# Altium PCB RT_SUPER_B1.PCBdoc (part 1 of 2) (continued)
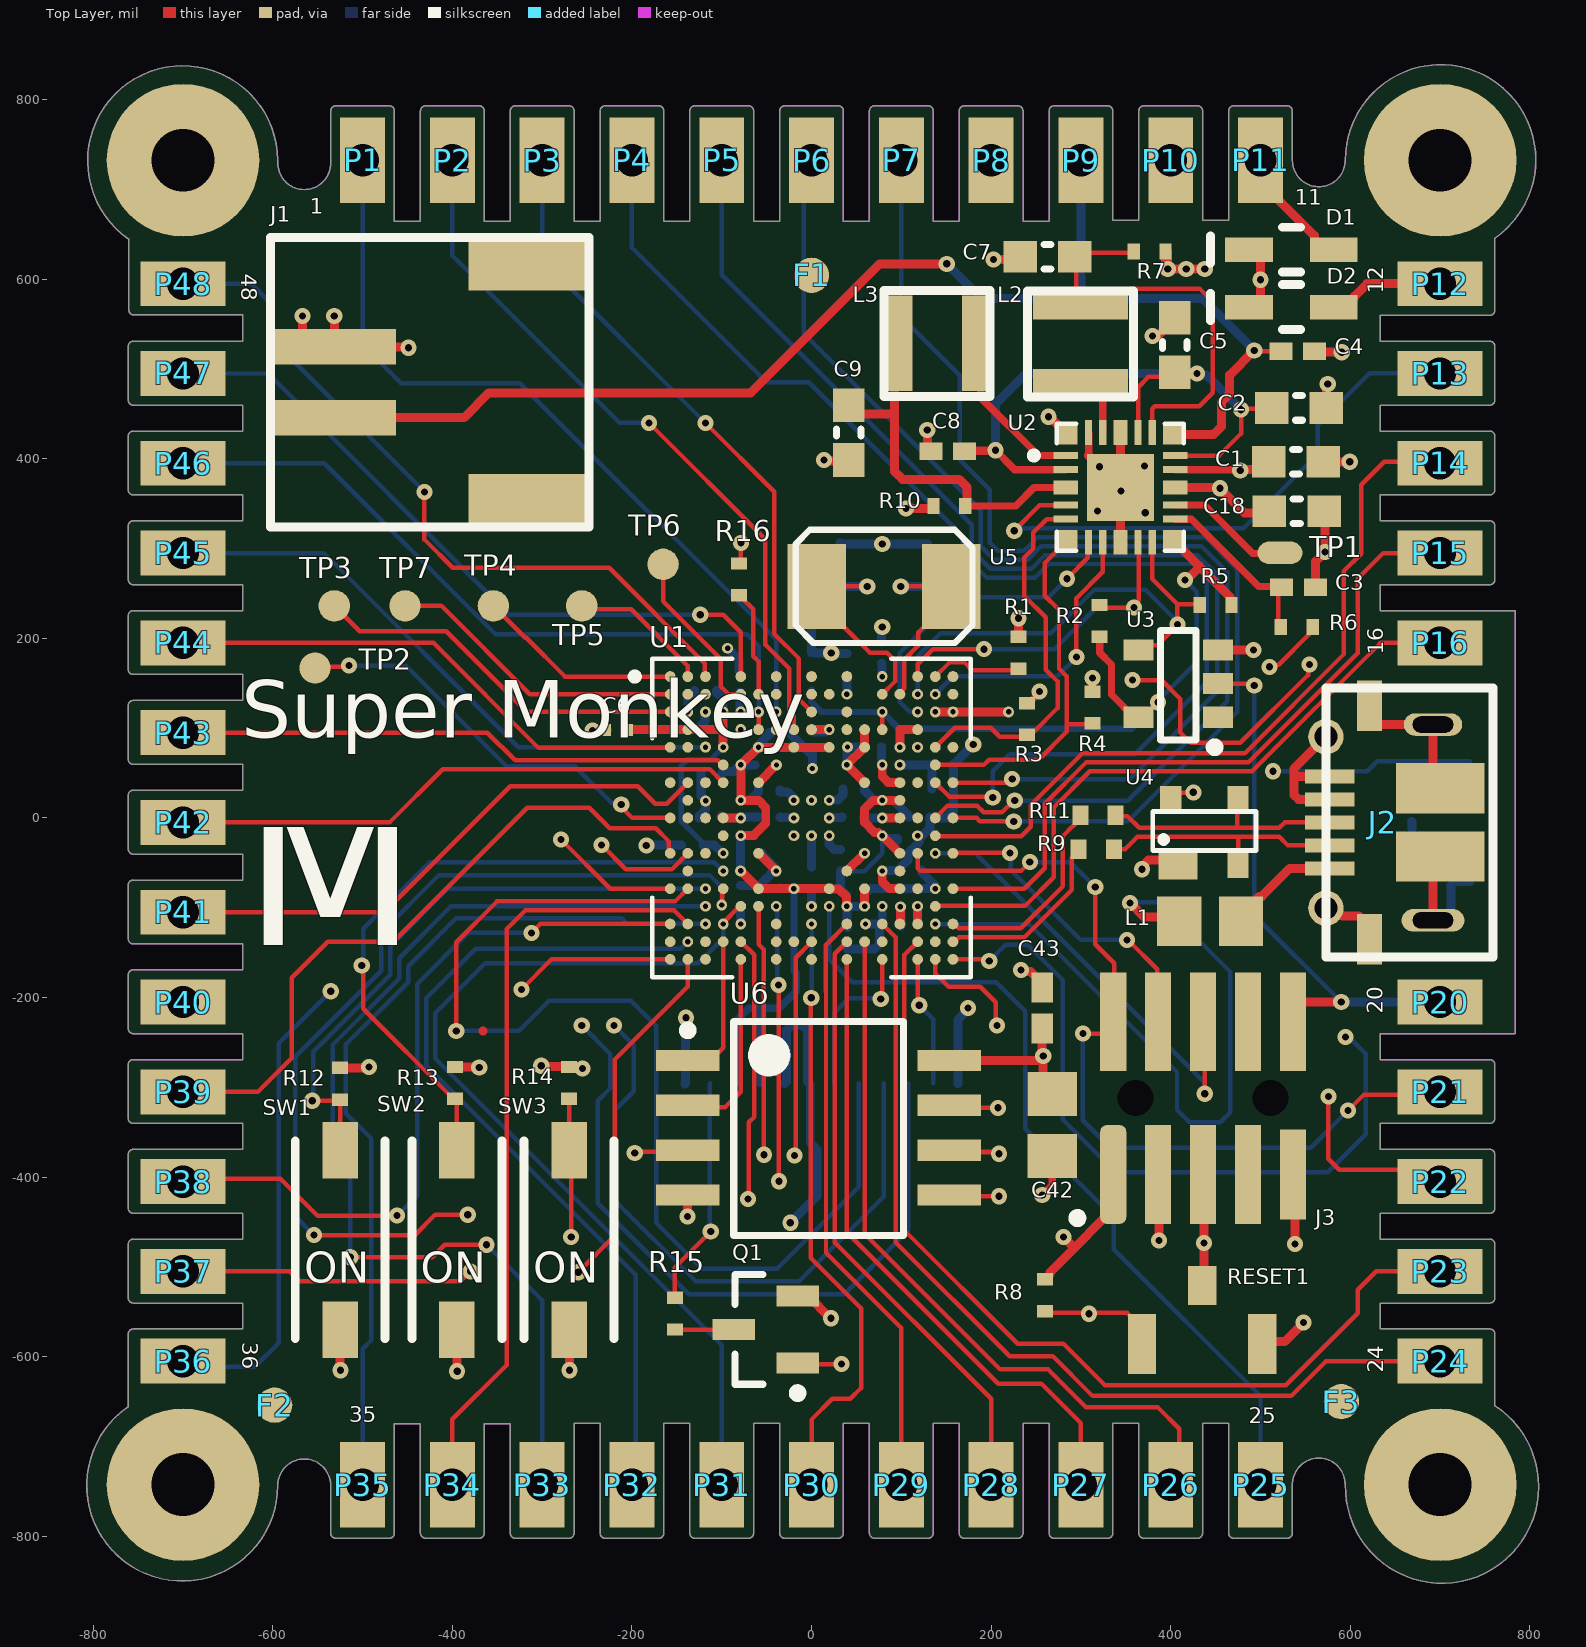
[diagram p0: Top Layer view]
## Board outline (continued)

## Design rules (kind name [scope] priority, off if disabled: settings)
Clearance [All] p1: gap=5 ignorepadtopadclearanceinfootprint=FALSE except(8: Arc-Poly Track-Poly SMDPad-Poly THPad-Poly Via-Poly Fill-Poly Poly-Poly)
ComponentClearance ComponentClearance_1 [HasFootprint('ER-TFT1.54-1')] p1: gap=0 collisioncheckmode=3 verticalgap=0 showdistances=FALSE
ComponentClearance [All] p2: gap=10 collisioncheckmode=3 verticalgap=10 showdistances=FALSE
PlaneClearance [All] p1: clearance=10
PolygonConnect PolygonConnect_2 [InNet('GND')] p1: thpad.connectstyle=Direct thpad.reliefconductorwidth=10 thpad.reliefentries=4 thpad.polygonreliefangle="90 Angle" thpad.airgapwidth=10 smdpad.connectstyle=Relief smdpad.reliefconductorwidth=10 smdpad.reliefentries=4 smdpad.polygonreliefangle="90 Angle" smdpad.airgapwidth=10 via.connectstyle=Direct via.reliefconductorwidth=10 via.reliefentries=4 via.polygonreliefangle="90 Angle" via.airgapwidth=10
PolygonConnect PolygonConnect_1 [IsVia] p2: connectstyle=Direct reliefconductorwidth=10 reliefentries=4 polygonreliefangle="90 Angle" airgapwidth=10
PolygonConnect [All] p3: connectstyle=Relief reliefconductorwidth=10 reliefentries=4 polygonreliefangle="90 Angle" airgapwidth=5
RoutingVias [All] p1: holewidth=12 width=26 viastyle="Through Hole" minholewidth=6 minwidth=6 maxholewidth=50 maxwidth=75
SilkToSolderMaskClearance SilkscreenOverComponentPads [IsPad] p1: minsilkscreentomaskgap=10 clearancetoexposedcopper=TRUE
SolderMaskExpansion [All] p1: expansion=4 istentingtop=FALSE
Width [All] p1: maxlimit=200 minlimit=5 preferedwidth=5
27 further rules are at their usual default settings.

## Components (designator, comment, footprint, x,y, rotation, side; value= is the part's Value field where it differs from the comment)
BTN1 "B3U-1100P" OMRON_B3U-1100P 733.27,-3.94 r90 bottom
C1 "2.2µF" C0603_0.90MM_MD 539.51,396.7 r180 top
C2 "4.7µF" C0603_1.00MM_MD 542.92,456.7 r0 top
C3 "0.47µF" C0402_0.55MM_HD 542.32,256.89 r180 top
C4 "1µF" C0402_0.55MM_HD 541.51,519.7 r180 top
C5 "2.2µF" C0603_0.90MM_MD 404.51,526.7 r90 top
C6 "0.1uF 6v" C0201_PERFECT -216,98 r0 top
C7 "10µF" C0603_0.90MM_MD 262.8,625 r0 top
C8 "1µF" C0402_0.55MM_HD 151.57,408.46 r180 top
C9 "10µF" C0603_0.90MM_MD 41.34,429.13 r90 top
C10 "1µF" C0402_0.55MM_HD 0,165.35 r270 bottom
C11 "18pF" C0402_0.55MM_HD 128.94,282.48 r270 bottom
C12 "0.1uF 6v" C0201_PERFECT 40,-134 r90 bottom
C13 "0.1uF 6v" C0201_PERFECT -51,59 r180 bottom
C14 "0.1uF 6v" C0201_PERFECT 110.24,-58.07 r0 bottom
C15 "0.1uF 6v" C0201_PERFECT 32.48,-47.24 r270 bottom
C16 "0.1uF 6v" C0201_PERFECT -111,50 r0 bottom
C17 "0.1uF 6v" C0201_PERFECT -35,95 r180 bottom
C18 "2.2µF" C0603_0.90MM_MD 540.35,341.54 r180 top
C19 "18pF" C0402_0.55MM_HD 31.5,283.46 r270 bottom
C20 "0.1uF 6v" C0201_PERFECT -67,-39 r180 bottom
C21 "0.1uF 6v" C0201_PERFECT -47,31 r180 bottom
C22 "0.1uF 6v" C0201_PERFECT 47,32 r0 bottom
C23 "0.1uF 6v" C0201_PERFECT 107.88,-25 r180 bottom
C24 "0.1uF 6v" C0201_PERFECT -47,-78 r0 bottom
C25 "0.1uF 6v" C0201_PERFECT 119.88,1 r180 bottom
C26 "0.1uF 6v" C0201_PERFECT 146,60 r180 bottom
C27 "0.1uF 6v" C0201_PERFECT 0,-66.74 r270 bottom
C28 "0.1uF 6v" C0201_PERFECT 46,1 r0 bottom
C29 "0.1uF 6v" C0201_PERFECT -47,1 r180 bottom
C30 "0.1uF 6v" C0201_PERFECT -113.19,0 r0 bottom
C31 "0.1uF 6v" C0201_PERFECT 87.6,-120.08 r0 bottom
C32 "0.1uF 6v" C0201_PERFECT -79,-87 r270 bottom
C33 "0.1uF 6v" C0201_PERFECT -80,152 r270 bottom
C34 "0.1uF 6v" C0201_PERFECT 1,84 r90 bottom
C35 "0.1uF 6v" C0201_PERFECT 146,32 r180 bottom
C36 "0.1uF 6v" C0201_PERFECT 39.57,171.18 r270 bottom
C37 "0.1uF 6v" C0201_PERFECT 78,184.06 r270 bottom
C38 "0.1uF 6v" C0201_PERFECT -118.11,141.73 r0 bottom
C39 "0.1uF 6v" C0201_PERFECT -112.59,100 r0 bottom
C40 "0.1uF 6v" C0201_PERFECT -133,-30 r0 bottom
C41 "0.1uF 6v" C0201_PERFECT 66,79 r0 bottom
C42 "4.7µF" C0805_1.45MM_MD 268,-342 r90 top
C43 "0.1µF" C0402_0.55MM_MD 256.89,-211.61 r90 top
D1 "BAT760-7" D_SOD-323_P 534.45,632.87 r180 top
D2 "BAT760-7" D_SOD-323_P 534.45,568.9 r180 top
F1 "PCB Fiducial" "Fiducial 1mm - 2mm" 0,604.33 r0 top
F2 "PCB Fiducial" "Fiducial 1mm - 2mm" -598,-654 r0 top
F3 "PCB Fiducial" "Fiducial 1mm - 2mm" 590,-650 r0 top
F4 "PCB Fiducial" "Fiducial 1mm - 2mm" -40,-600 r180 bottom
F5 "PCB Fiducial" "Fiducial 1mm - 2mm" -490,100 r180 bottom
F6 "PCB Fiducial" "Fiducial 1mm - 2mm" 550,-10 r180 bottom
J1 "S2B-PH-SM4-TB(LF)(SN)" S2B-PH-SM4-TB(LF)(SN) -423.23,485.24 r270 top
J2 "10103594-0001LF" 10103594-0001LF 636.42,-5 r180 top
J3 "FTSH-105-01-F-DV" FTSH-105-01-F-DV-K-A 436,-312 r0 top
L1 "CBC2012T4R7M" C0805_1.45MM_MD 444,-115 r180 top
L2 "2.2µH 1.5A" L_NRH3012 299.51,527.7 r90 top
L3 "2.2µH 1.5A" L_NRH3012 139.76,528.54 r180 top
P1 "" CASTELLATED#1 -500,732.5 r0 top
P2 "" CASTELLATED#1 -400,732.5 r180 top
P3 "" CASTELLATED#1 -300,732.5 r180 top
P4 "" CASTELLATED#1 -200,732.5 r180 top
P5 "" CASTELLATED#1 -100,732.5 r180 top
P6 "" CASTELLATED#1 0,732.5 r180 top
P7 "" CASTELLATED#1 100,732.5 r180 top
P8 "" CASTELLATED#1 200,732.5 r180 top
P9 "" CASTELLATED#1 300,732.5 r180 top
P10 "" CASTELLATED#1 400,732.5 r180 top
P11 "" CASTELLATED#1 500,732.5 r180 top
P12 "" CASTELLATED#2 700,600 r90 top
P13 "" CASTELLATED#3 788,560.5 r90 top
P14 "" CASTELLATED#1 700,395 r90 top
P15 "" CASTELLATED#4 698,296.5 r90 top
P16 "" CASTELLATED#5 700,198.86 r90 top
P20 "" CASTELLATED#6 700,-208.5 r90 top
P21 "" CASTELLATED#4 698,-303.5 r90 top
P22 "" CASTELLATED#7 699,-403.5 r90 top
P23 "" CASTELLATED#8 702,-503.5 r90 top
P24 "" CASTELLATED#1 700,-605 r90 top
P25 "" CASTELLATED#1 500,-742.5 r180 top
P26 "" CASTELLATED#1 400,-742.5 r0 top
P27 "" CASTELLATED#1 300,-742.5 r0 top
P28 "" CASTELLATED#1 200,-742.5 r0 top
P29 "" CASTELLATED#1 100,-742.5 r0 top
P30 "" CASTELLATED#1 0,-742.5 r0 top
P31 "" CASTELLATED#1 -100,-742.5 r0 top
P32 "" CASTELLATED#1 -200,-742.5 r0 top
P33 "" CASTELLATED#1 -300,-742.5 r0 top
P34 "" CASTELLATED#1 -400,-742.5 r0 top
P35 "" CASTELLATED#1 -500,-742.5 r0 top
P36 "" CASTELLATED#1 -700,-605 r90 top
P37 "" CASTELLATED#1 -700,-505 r90 top
P38 "" CASTELLATED#1 -700,-405 r90 top
P39 "" CASTELLATED#1 -700,-305 r90 top
P40 "" CASTELLATED#1 -700,-205 r90 top
P41 "" CASTELLATED#1 -700,-105 r90 top
P42 "" CASTELLATED#1 -700,-5 r90 top
P43 "" CASTELLATED#1 -700,95 r90 top
P44 "" CASTELLATED#1 -700,195 r90 top
P45 "" CASTELLATED#1 -700,295 r90 top
P46 "" CASTELLATED#1 -700,395 r90 top
P47 "" CASTELLATED#9 -704,534.5 r90 top
P48 "" CASTELLATED#10 -700,588.5 r90 top
Q1 "ZXMN3A01FTA" SOT-23 -51,-569.64 r180 top
R1 "10k" R0402_0.40MM_HD 230.32,184.06 r270 top
R2 "20k" R0402_0.40MM_HD 320.87,219.49 r270 top
R3 "2.2k" R0402_0.40MM_HD 240.16,110.24 r90 top
R4 "2.2k" R0402_0.40MM_HD 312.99,123.03 r90 top
R5 "20k" R0402_0.40MM_HD 450,237 r0 top
R6 "0" R0402_0.40MM_HD 540.35,212.6 r0 top
R7 "0" R0402_0.40MM_HD 376.51,630.7 r0 top
R8 "100k" R0402_0.40MM_HD 259.84,-531.5 r90 top
R9 "0" R0402_0.40MM_MD 317,-35 r180 top
R10 "0" R0402_0.40MM_HD 153.54,347.44 r180 top
R11 "0" R0402_0.40MM_MD 319,3 r180 top
R12 "100k" R0402_0.40MM_HD -525,-296 r90 top
R13 "100k" R0402_0.40MM_HD -397,-295 r90 top
R14 "100k" R0402_0.40MM_HD -270,-295 r90 top
R15 "33" R0402_0.40MM_HD -152,-552 r90 top
R16 "1k" R0402_0.40MM_HD -80.71,265.75 r90 top
RESET1 "B3U-1100P" OMRON_B3U-1100P 435.04,-585.63 r180 top
SW1 "CHS-01TA" CHS-01TA -525,-390 r0 top
SW2 "CHS-01TA" CHS-01TA -395,-390 r0 top
SW3 "CHS-01TA" CHS-01TA -270,-390 r0 top
TP1 "SMT_TEST" "SMT_TP - 25 x 50" 521.65,295.28 r90 top
TP2 "SMT_TEST" "SMT_TP - 35" -553,167 r90 top
TP3 "SMT_TEST" "SMT_TP - 35" -531.5,236.22 r0 top
TP4 "SMT_TEST" "SMT_TP - 35" -354.33,236.22 r0 top
TP5 "SMT_TEST" "SMT_TP - 35" -255.91,236.22 r0 top
TP6 "SMT_TEST" "SMT_TP - 35" -165.35,282.48 r0 top
TP7 "SMT_TEST" "SMT_TP - 35" -452.76,236.22 r0 top
U1 "MIMXRT685SFVKB" VFBGA176 0,0 r0 top locked
U2 "PCA9420BSAZ" PCA9420 344.01,368.2 r0 top
U3 "SN74AUC1G07DBVR" SOT23-5 408.46,149.61 r180 top
U4 "PRTR5V0U2X,215" SOT143B 408,-53 r0 top
U5 "24MHz" ABM3 80.71,257.87 r0 top
U6 "W25Q64JVSIM" SOIC127P830X200-8L 7.87,-345 r0 top
U7 "ER-TFT1.54-1" ER-TFT1.54-1 11.43,-295.5 r180 bottom locked

## Footprints (in the part's own frame and the unit in brackets; to place one, negate y for a bottom-side part, rotate by r counter-clockwise, add the part's x,y. Pads: shape width x height; smd on the part's side, far side on the other; paste and mask are expansions set on the pad)
10103594-0001LF [mm] "USB uB"
  rect 1.4x0.4 smd: 1(1.506,1.3) 2(1.506,0.65) 3(1.506,0) 4(1.506,-0.65) 5(1.506,-1.3)
  rect 2.5x1.425 smd: MOUNT(-1.615,0.962) MOUNT(-1.615,-0.962)
  oval 1.778x0.635 hole 0.457 slot 1.143 at 0 deg: MOUNT(-1.415,2.77)
  oval 1.651x0.635 hole 0.457 slot 1.143 at 0 deg: MOUNT(-1.415,-2.77)
  rect 0.7x1.425 smd: MOUNT(0.385,3.3) MOUNT(0.385,-3.3)
  round 1 hole 0.65: MOUNT(1.615,2.425) MOUNT(1.615,-2.425)
  silkscreen extent -3.11,-3.8 1.62,3.8, body extent -4.23,-4.01 1.81,4.03, height 2.9
ABM3 [mm] "Abracon Crystal 5x3.2mm"
  rect 1.651x2.4 smd: 1(-1.9,0) 2(1.9,0)
  silkscreen extent -2.5,-1.6 2.5,1.6, body extent -2.5,-1.6 2.5,1.6, height 1.3
C0201_PERFECT [mm] "Chip Capacitor, 2-Leads, Body 0.60x0.35mm, IPC High https://www.worthingtonassembly.com/blog/2018/1/29/the-perfect-0201-footprint"
  rect 0.25x0.35 smd mask+0.05: 1(-0.305,0) 2(0.305,0)
  body extent -0.3,-0.2 0.3,0.2, height 0.3
C0402_0.55MM_HD [mm] "Capacitor 0402 0.55mm Height- High Density"
  rect 0.65x0.5 smd: 1(-0.475,0) 2(0.475,0)
  body extent -0.53,-0.25 0.48,0.25, height 0.55
C0402_0.55MM_MD [mm] "Capacitor - 0402 - Medium Density"
  rect 0.85x0.6 smd: 1(-0.575,0) 2(0.575,0)
  body extent -0.5,-0.25 0.5,0.25, height 0.55
C0603_0.90MM_MD [mm] "Capacitor 0603 - Medium Density"
  rect 0.95x0.9 smd: 1(-0.775,0) 2(0.775,0)
  silkscreen extent -0.1,-0.35 0.1,0.35, body extent -0.8,-0.4 0.8,0.4, height 0.9
C0603_1.00MM_MD [mm] "Capacitor 0603 - Medium Density"
  rect 0.95x0.9 smd: 1(-0.775,0) 2(0.775,0)
  silkscreen extent -0.1,-0.35 0.1,0.35, body extent -0.8,-0.4 0.8,0.4, height 1
C0805_1.45MM_MD [mm] "Capacitor - 0805 - Medium Density"
  rect 1.25x1.4 smd: 1(-0.875,0) 2(0.875,0)
  body extent -1,-0.62 1,0.63, height 1.45
CASTELLATED#1 [mil]
  rect 50x95 hole 36: 1(0,0)
CASTELLATED#2 [mil]
  rect 50x95 hole 36: 1(-5,0)
CASTELLATED#3 [mil]
  rect 50x95 hole 36: 1(-65.5,88)
CASTELLATED#4 [mil]
  rect 50x95 hole 36: 1(-1.5,-2)
CASTELLATED#5 [mil]
  rect 50x95 hole 36: 1(-3.86,0)
CASTELLATED#6 [mil]
  rect 50x95 hole 36: 1(3.5,0)
CASTELLATED#7 [mil]
  rect 50x95 hole 36: 1(-1.5,-1)
CASTELLATED#8 [mil]
  rect 50x95 hole 36: 1(-1.5,2)
CASTELLATED#9 [mil]
  rect 50x95 hole 36: 1(-39.5,-4)
CASTELLATED#10 [mil]
  rect 50x95 hole 36: 1(6.5,0)
CHS-01TA [mm]
  rect 1x1.6 smd: 1(0,-4.572) 2(0,0.508)
  silkscreen extent -1.27,-4.83 1.27,0.76, body extent -1.25,-4.83 1.25,0.77, height 2.53
D_SOD-323_P [mm] "SOD-123 Diode - Polarized"
  rect 1.35x0.7 smd: 1(-1.2,0) 2(1.2,0)
  silkscreen extent -0.25,-0.64 2.29,0.64, body extent -1.3,-0.68 1.3,0.67, height 1.1
ER-TFT1.54-1 [mm]
  rect 0.35x3 smd: 1(3.85,0) 2(3.15,0) 3(2.45,0) 4(1.75,0) 5(1.05,0) 6(0.35,0) 7(-0.35,0) 8(-1.05,0) 9(-1.75,0) 10(-2.45,0) 11(-3.15,0) 12(-3.85,0)
  silkscreen extent -15.41,-9.5 16.11,24.22, body extent -15.54,-9.63 16.24,24.35, height 2.1
"Fiducial 1mm - 2mm" [mm] "1mm Pad 2mm Opening"
  round 1 smd paste-10 mask+0.5: 1(0,0)
FTSH-105-01-F-DV-K-A [mil] "Samtec FTSH-105-01-F-DV-K-A SMT Connector"
  rrect50% 29x110 smd: 1(-100,-85)
  rect 29x110 smd: 2(-100,85) 3(-50,-85) 4(-50,85) 5(0,-85) 6(0,85) 7(50,-85) 8(50,85) 10(100,85)
  rect 29x100 smd: 9(100,-85)
  round 5 hole 40 unplated mask+20: A(-75,0) A(75,0)
  silkscreen extent -145,-139 -135,-129, body extent -125,-115 125,115, height 241
L_NRH3012 [mm] "Inductor"
  rect 0.8x2.7 smd: 1(-1.1,0) 2(1.1,0)
  silkscreen extent -1.5,-1.5 1.5,1.5, body extent -1.5,-1.5 1.5,1.5, height 1.2
OMRON_B3U-1100P [mm] "Omron Ultra-small tactile switch B3U 3.0 x 2.5 x 1.2mm"
  rect 0.8x1.7 smd: 1(-1.7,0) 2(1.7,0)
  rect 0.8x1.1 smd: S(0,-1.65)
  body extent -2,-1.9 2,1.25, height 1.61
PCA9420 [mm]
  rect 0.7x0.2 smd mask+0.051: 1(-1.55,0.9) 2(-1.55,0.5) 4(-1.55,-0.5) 5(-1.55,-0.9) 13(1.55,-0.9) 14(1.55,-0.5) 16(1.55,0.5) 17(1.55,0.9)
  rect 0.7x0.4 smd mask+0.051: 3(-1.55,0) 15(1.55,0)
  rect 0.584x0.584 smd mask+0.051: 6(-1.5,-1.5) 12(1.5,-1.5) 18(1.5,1.5) 24(-1.5,1.5)
  rect 0.2x0.7 smd mask+0.051: 7(-0.9,-1.55) 8(-0.5,-1.55) 10(0.5,-1.55) 11(0.9,-1.55) 19(0.9,1.55) 20(0.5,1.55) 22(-0.5,1.55) 23(-0.9,1.55)
  rect 0.4x0.7 smd mask+0.051: 9(0,-1.55) 21(0,1.55)
  rect 1.9x1.9 smd mask+0.051: 25(0,0)
  silkscreen extent -2.55,-1.8 1.8,1.8, body extent -1.5,-1.5 1.5,1.5, height 1
R0402_0.40MM_HD [mm] "Resistor 0402 High Density"
  rect 0.35x0.45 smd: 1(-0.45,0) 2(0.45,0)
  body extent -0.5,-0.25 0.5,0.25, height 0.4
R0402_0.40MM_MD [mm] "Resistor 0402 Medium Density"
  rect 0.45x0.55 smd: 1(-0.5,0) 2(0.5,0)
  body extent -0.5,-0.25 0.5,0.25, height 0.4
S2B-PH-SM4-TB(LF)(SN) [mm] "CONN HEADER PH SIDE 2POS 2MM SMD"
  rect 1x3.5 smd: 1(-1,-2.75) 2(1,-2.75)
  rect 1.5x3.4 smd: M1(3.35,2.75) M2(-3.35,2.75)
  silkscreen extent -4.1,-4.55 4.1,4.45, body extent -3.97,-4.39 3.93,4.21, height 5.6
"SMT_TP - 25 x 50" [mil] ".025\" x .050\" SMT Test pad"
  oval 25x50 smd paste-25: 1(0,0)
"SMT_TP - 35" [mil] ".035\" SMT Test pad"
  round 35 smd paste-10: 1(0,0)
SOIC127P830X200-8L [mm] "SOIC, 8-Leads, Body 6.1x6.2mm (max), Pitch 1.27mm, IPC High Density"
  rect 1.8x0.6 smd: 1(-3.7,1.905) 2(-3.7,0.635) 3(-3.7,-0.635) 4(-3.7,-1.905) 5(3.7,-1.905) 6(3.7,-0.635) 7(3.7,0.635) 8(3.7,1.905)
  silkscreen extent -3.82,-3.05 2.4,3, body extent -4.2,-2.7 4.2,2.68, height 2.3
SOT23-5 [mm] "SOT23, 5-Leads, Body 3.1x2.6mm (max), Pitch 0.95mm, IPC High Density"
  rect 0.85x0.6 smd: 1(-1.125,0.95) 2(-1.125,0) 3(-1.125,-0.95) 4(1.125,-0.95) 5(1.125,0.95)
  silkscreen extent -1.15,-1.5 0.5,1.92, body extent -1.38,-1.45 1.32,1.45, height 1.15
SOT143B [mm] "SOT143B"
  rect 1.1x0.8 smd: 1(0,0)
  rect 0.6x0.7 smd: 2(1.702,0) 3(1.702,1.9) 4(-0.2,1.9)
  silkscreen extent -0.71,0.43 2.21,1.52, body extent -0.7,-0.27 2.22,2.15, height 1
SOT-23 [mm] "SOT-23"
  rect 1.2x0.6 smd: 1(-0.9,0.95) 2(-0.9,-0.95) 3(0.9,0)
  silkscreen extent -1.03,-1.55 0.87,1.92, body extent -1.27,-1.5 1.23,1.5, height 1.07
VFBGA176 [mil]
  round 12 smd paste+0 mask+0: A1(-157.48,157.48) A2(-137.8,157.48) A3(-118.11,157.48) A5(-78.74,157.48) A7(-39.37,157.48) A9(0,157.48) A11(39.37,157.48) A13(78.74,157.48) A15(118.11,157.48) A16(137.8,157.48) A17(157.48,157.48) B1(-157.48,137.8) B2(-137.8,137.8) B3(-118.11,137.8) B5(-78.74,137.8) B6(-59.06,137.8) B7(-39.37,137.8) B9(0,137.8) B10(19.69,137.8) B11(39.37,137.8) B13(78.74,137.8) B14(98.43,137.8) B15(118.11,137.8) B16(137.8,137.8) B17(157.48,137.8) C1(-157.48,118.11) C2(-137.8,118.11) C3(-118.11,118.11) C4(-98.43,118.11) C5(-78.74,118.11) C7(-39.37,118.11) C9(0,118.11) C11(39.37,118.11) C13(78.74,118.11) C15(118.11,118.11) C16(137.8,118.11) C17(157.48,118.11) D2(-137.8,98.43) D5(-78.74,98.43) D6(-59.06,98.43) D7(-39.37,98.43) D8(-19.68,98.43) D9(0,98.43) D11(39.37,98.43) D12(59.06,98.43) D13(78.74,98.43) D15(118.11,98.43) E1(-157.48,78.74) E2(-137.8,78.74) E3(-118.11,78.74) E4(-98.43,78.74) E6(-59.06,78.74) E8(-19.68,78.74) E10(19.69,78.74) E12(59.06,78.74) E14(98.43,78.74) E15(118.11,78.74) E16(137.8,78.74) E17(157.48,78.74) F4(-98.43,59.06) F5(-78.74,59.06) F7(-39.37,59.06) F11(39.37,59.06) F13(78.74,59.06) F14(98.43,59.06) F16(137.8,59.06) G1(-157.48,39.37) G2(-137.8,39.37) G3(-118.11,39.37) G4(-98.43,39.37) G6(-59.06,39.37) G12(59.06,39.37) G14(98.43,39.37) G15(118.11,39.37) G16(137.8,39.37) G17(157.48,39.37) H2(-137.8,19.68) H5(-78.74,19.68) H8(-19.68,19.68) H9(0,19.68) H10(19.69,19.68) H13(78.74,19.68) H14(98.43,19.68) J1(-157.48,0) J2(-137.8,0) J3(-118.11,0) J4(-98.43,0) J8(-19.68,0) J10(19.69,0) J14(98.43,0) J15(118.11,0) J16(137.8,0) J17(157.48,0) K4(-98.43,-19.69) K5(-78.74,-19.69) K8(-19.68,-19.69) K9(0,-19.69) K10(19.69,-19.69) K13(78.74,-19.69) K16(137.8,-19.69) L1(-157.48,-39.37) L2(-137.8,-39.37) L3(-118.11,-39.37) L4(-98.43,-39.37) L6(-59.06,-39.37) L12(59.06,-39.37) L14(98.43,-39.37) L15(118.11,-39.37) L16(137.8,-39.37) L17(157.48,-39.37) M2(-137.8,-59.06) M4(-98.43,-59.06) M5(-78.74,-59.06) M7(-39.37,-59.06) M11(39.37,-59.06) M13(78.74,-59.06) M14(98.43,-59.06) N1(-157.48,-78.74) N2(-137.8,-78.74) N3(-118.11,-78.74) N4(-98.43,-78.74) N6(-59.06,-78.74) N8(-19.68,-78.74) N10(19.69,-78.74) N12(59.06,-78.74) N14(98.43,-78.74) N15(118.11,-78.74) N16(137.8,-78.74) N17(157.48,-78.74) P3(-118.11,-98.43) P5(-78.74,-98.43) P6(-59.06,-98.43) P7(-39.37,-98.43) P9(0,-98.43) P10(19.69,-98.43) P11(39.37,-98.43) P12(59.06,-98.43) P13(78.74,-98.43) P16(137.8,-98.43) R1(-157.48,-118.11) R2(-137.8,-118.11) R3(-118.11,-118.11) R5(-78.74,-118.11) R7(-39.37,-118.11) R9(0,-118.11) R11(39.37,-118.11) R13(78.74,-118.11) R14(98.43,-118.11) R15(118.11,-118.11) R16(137.8,-118.11) R17(157.48,-118.11) T1(-157.48,-137.8) T2(-137.8,-137.8) T3(-118.11,-137.8) T4(-98.43,-137.8) T5(-78.74,-137.8) T7(-39.37,-137.8) T8(-19.68,-137.8) T9(0,-137.8) T11(39.37,-137.8) T12(59.06,-137.8) T13(78.74,-137.8) T15(118.11,-137.8) T16(137.8,-137.8) T17(157.48,-137.8) U1(-157.48,-157.48) U2(-137.8,-157.48) U3(-118.11,-157.48) U5(-78.74,-157.48) U7(-39.37,-157.48) U9(0,-157.48) U11(39.37,-157.48) U13(78.74,-157.48) U15(118.11,-157.48) U16(137.8,-157.48) U17(157.48,-157.48)
  silkscreen extent -201,-177 177,177, body extent -177,-177 177,177, height 34

## Part data
BTN1 RESET1: "SWITCH TACTILE SPST-NO 0.05A 12V", Contact Rating @ Voltage="0.05A @ 12VDC", Illumination Type, Color=-, Manufacturer="Omron Electronics Inc-EMC Div", Operating Force=153gf, Operating Temperature="-25°C ~ 70°C", Supplier Part Number 1=SW1021CT-ND, Actuator Height off PCB, from Pins=1.60mm, Actuator Material=-, Actuator Orientation="Top Actuated", Actuator Type=Standard, Category=Switches, CategorySort=700, Circuit=SPST-NO, ComponentLink1Description=http://www.components.omron.com/components/web/PDFLIB.nsf/0/2DD3893C7DD33E9E862572900079E9D6/$file/B3U_1110.pdf, ComponentLink1URL=http://www.components.omron.com/components/web/PDFLIB.nsf/0/2DD3893C7DD33E9E862572900079E9D6/$file/B3U_1110.pdf, Features="Grounding Pin", Illumination=Non-Illuminated, Illumination Voltage (Nominal)=-, Ingress Protection="Dust Proof", Manufacturer Part Number=B3U-1100P, Mechanical Life="200,000 Cycles", Mounting Type="Surface Mount", Outline="3.00mm x 2.50mm", Packaging="Cut Tape (CT)", Pricing 1="1=1.25, 10=1.201, 25=1.1332, 50=0.997, 100=0.9064, 250=0.86108, 500=0.83842, 1000=0.65714 (USD)", RoHS="RoHS Compliant", Stock 1=45170, Supplier 1=Digi-Key, Switch Function=Off-Mom, Switch Travel=0.15mm, Termination Style="SMD (SMT) Tab"
C1 C5 C18: library part GCM188R70J225KE22D, "CAP CER 2.2UF 6.3V X7R 0603", Manufacturer="Murata Electronics", Operating Temperature="-55°C ~ 125°C", Package=0603, Ratings=AEC-Q200, Supplier Part Number 1=490-5316-1-ND, Temperature Coefficient=X7R, Tolerance=±10%, Voltage - Rated=6.3V, Category=Capacitors, ComponentLink1Description="Datasheet (Internal)", ComponentLink1URL=https://search.murata.co.jp/Ceramy/image/img/A01X/G101/ENG/GCM188R70J225KE22-01.pdf, ComponentLink2Description="Datasheet (External)", ComponentLink2URL=https://search.murata.co.jp/Ceramy/image/img/A01X/G101/ENG/GCM188R70J225KE22-01.pdf, Manufacturer Part Number=GCM188R70J225KE22D, Substitution Notes="2.2µF , 6.3V , ±10% , X7R , -55°C ~ 125°C , AEC-Q200 , 0603", Supplier 1=Digikey, Thickness (Max)=0.90MM
C2: library part GCJ188C70J475KE02D, "CAP CER 4.7UF 6.3V X7S 0603", Manufacturer="Murata Electronics", Operating Temperature="-55°C ~ 125°C", Package=0603, Ratings=AEC-Q200, Supplier Part Number 1=490-16480-1-ND, Temperature Coefficient=X7S, Tolerance=±10%, Voltage - Rated=6.3V, Category=Capacitors, ComponentLink1Description="Datasheet (Internal)", ComponentLink1URL=https://search.murata.co.jp/Ceramy/image/img/A01X/G101/ENG/GCJ188C70J475KE02-01.pdf, ComponentLink2Description="Datasheet (External)", ComponentLink2URL=https://search.murata.co.jp/Ceramy/image/img/A01X/G101/ENG/GCJ188C70J475KE02-01.pdf, Manufacturer Part Number=GCJ188C70J475KE02D, Substitution Notes="4.7µF , 6.3V , ±10% , X7S , -55°C ~ 125°C , AEC-Q200 , 0603", Supplier 1=Digikey, Thickness (Max)=1.00MM
C3: library part GRT155R61E474KE01D, "CAP CER 0.47UF 25V X5R 0402", Manufacturer="Murata Electronics", Operating Temperature="-55°C ~ 85°C", Package=0402, Ratings=AEC-Q200, Supplier Part Number 1=490-12269-1-ND, Temperature Coefficient=X5R, Tolerance=±10%, Voltage - Rated=25V, Category=Capacitors, ComponentLink1Description="Datasheet (Internal)", ComponentLink1URL=https://search.murata.co.jp/Ceramy/image/img/A01X/partnumbering_e_02.pdf, ComponentLink2Description="Datasheet (External)", ComponentLink2URL=https://search.murata.co.jp/Ceramy/image/img/A01X/partnumbering_e_02.pdf, Manufacturer Part Number=GRT155R61E474KE01D, Substitution Notes="0.47µF , 25V , ±10% , X5R , -55°C ~ 85°C , AEC-Q200 , 0402", Supplier 1=Digikey, Thickness (Max)=0.55MM
C4 C8 C10: library part GCM155C71A105KE38D, "CAP CER 1UF 10V X7S 0402", Manufacturer="Murata Electronics", Operating Temperature="-55°C ~ 125°C", Package=0402, Ratings=AEC-Q200, Supplier Part Number 1=490-13409-1-ND, Temperature Coefficient=X7S, Tolerance=±10%, Voltage - Rated=10V, Category=Capacitors, ComponentLink1Description="Datasheet (Internal)", ComponentLink1URL=https://www.murata.com/~/media/webrenewal/support/library/catalog/products/capacitor/mlcc/c03e.ashx?la=en-us, ComponentLink2Description="Datasheet (External)", ComponentLink2URL=https://www.murata.com/~/media/webrenewal/support/library/catalog/products/capacitor/mlcc/c03e.ashx?la=en-us, Manufacturer Part Number=GCM155C71A105KE38D, Substitution Notes="1µF , 10V , ±10% , X7S , -55°C ~ 125°C , AEC-Q200 , 0402", Supplier 1=Digikey, Thickness (Max)=0.55MM
C6 C12 C13 C14 C15 C16 C17 C20 C21 C22 C23 C24 C25 C26 C27 C28 C29 C30 C31 C32 C33 C34 C35 C36 C37 C38 C39 C40 C41: library part CC0201KRX5R5BB104, "Cap Ceramic 0.1uF 6.3VDC X5R 10% SMD 0201 Paper T/R", Capacitance=100nF, Case Code (Imperial)=0201, Case Code (Metric)=0603, Dielectric=X5R, Manufacturer=Yageo, Max Operating Temperature=85°C, Min Operating Temperature=-55°C, Package Quantity=1, Resistor Type=Ceramic, Supplier Part Number 1=311-1408-1-ND, Tolerance=10%, Voltage Rating=6.3V, Case/Package=0201, Category="Ceramic Capacitors", ComponentLink1Description=https://datasheet.ciiva.com/176/mlccorderingcode-176765.pdf?src-supplier=Digi-Key, ComponentLink1URL=https://datasheet.ciiva.com/176/mlccorderingcode-176765.pdf?src-supplier=Digi-Key, ComponentLink2Description=https://datasheet.ciiva.com/176/mlccorderingcode-176766.pdf?src-supplier=Digi-Key, ComponentLink2URL=https://datasheet.ciiva.com/176/mlccorderingcode-176766.pdf?src-supplier=Digi-Key, ComponentLink3Description=https://datasheet.ciiva.com/176/mlccorderingcode-176767.pdf?src-supplier=Digi-Key, ComponentLink3URL=https://datasheet.ciiva.com/176/mlccorderingcode-176767.pdf?src-supplier=Digi-Key, ComponentLink4Description=https://datasheet.ciiva.com/28450/1359354-28450200.pdf?src-supplier=Element14, ComponentLink4URL=https://datasheet.ciiva.com/28450/1359354-28450200.pdf?src-supplier=Element14, ComponentLink5Description=https://datasheet.ciiva.com/7656/1525783-7656597.pdf?src-supplier=Element14, ComponentLink5URL=https://datasheet.ciiva.com/7656/1525783-7656597.pdf?src-supplier=Element14, Depth=0.3mm, Halogen Free="Halogen Free", Height=0.3mm, Lead Free="Lead Free", Length=0.6mm, Manufacturer Part Number=CC0201KRX5R5BB104, Mount="Surface Mount", Number of Pins=2, Packaging="Tape and Reel", Pricing="1=0.10000, 10=0.02400, 50=0.01340, 100=0.01090, 500=0.00776, 1000=0.00610, 2500=0.00555, 5000=0.00510 (USD)", REACH SVHC="No SVHC", RoHS=Yes, RoHS Compliant=Yes, Series=CC, Stock=2999877, Supplier 1=Digi-Key, Termination=SMD/SMT, Thickness=0.013inch, Voltage Rating (DC)=6.3V, Width=0.3mm